# KiCad board SBC.kicad_pcb (continued)
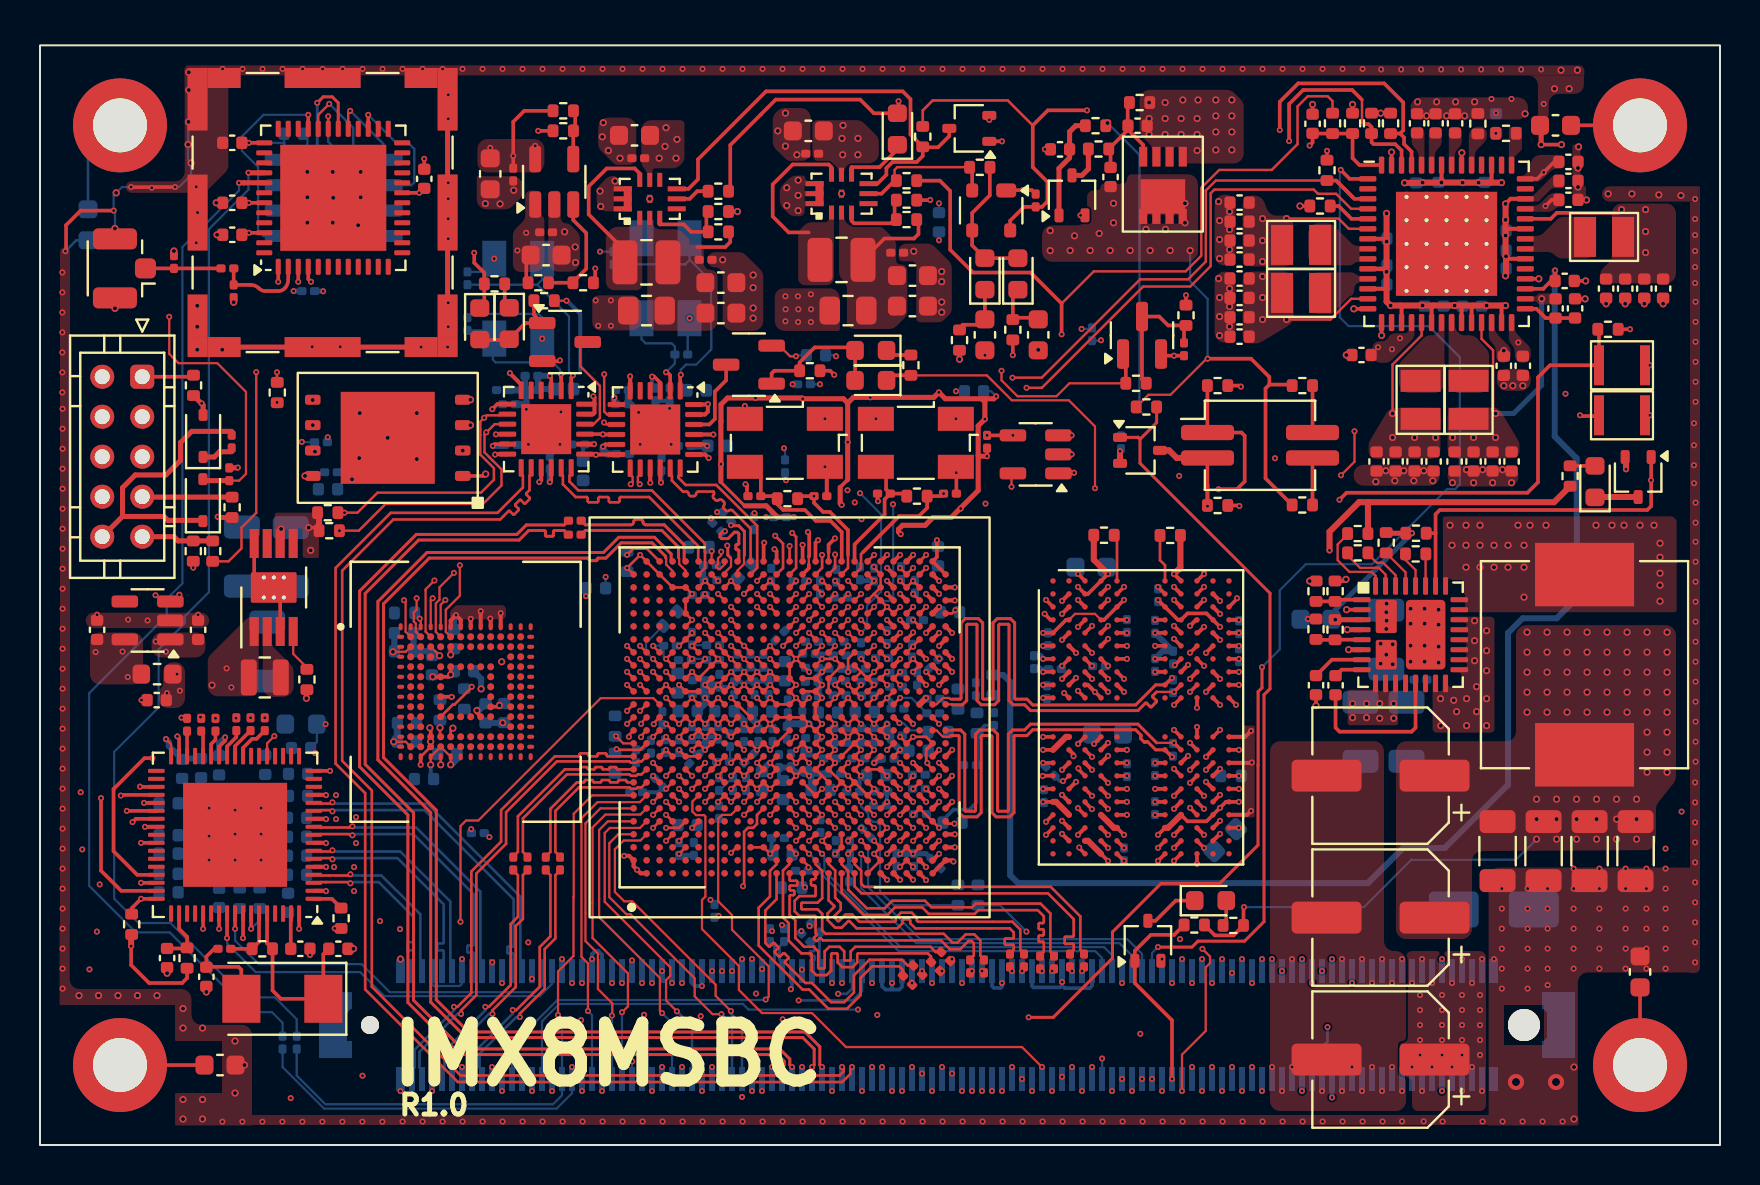
[diagram p0: board, top side]
## Footprints (pads in the part's own frame, mm; a bottom-side part is the same pattern mirrored in y, then rotated) (continued)
C_0201_0603Metric
  rrect 0.318x0.36 smd: (-0.345,0) (0.345,0)
  rrect 0.46x0.4 smd: 1(-0.32,0) 2(0.32,0)
C_0402_1005Metric
  rrect 0.56x0.62 smd: 1(-0.48,0) 2(0.48,0)
C_0603_1608Metric
  rrect 0.9x0.95 smd: 1(-0.775,0) 2(0.775,0)
C_1206_3216Metric
  rrect 1.15x1.8 smd: 1(-1.475,0) 2(1.475,0)
CONN_3-1827253-6
  round 1.6 hole 1.6 unplated: (-28.85,0)
  round 0.9 hole 0.9 unplated: (28.85,0)
  rect 1.4x3.3 smd: 221(-30.7,0) 222(30.7,0)
  rect 0.25x0.85 smd: 221.1(-29.875,1.225) 221.2(-29.875,-1.225) 222.1(29.875,1.225) 222.2(29.875,-1.225)
  rect 0.45x1.2 smd: A1(27.325,2.7) A110(-27.325,2.7) B1(27.325,-2.7) B110(-27.325,-2.7)
  rect 0.3x1.2 smd: A2(26.75,2.7) A3(26.25,2.7) A4(25.75,2.7) A5(25.25,2.7) A6(24.75,2.7) A7(24.25,2.7) A8(23.75,2.7) A9(23.25,2.7) A10(22.75,2.7) A11(22.25,2.7) A12(21.75,2.7) A13(21.25,2.7) A14(20.75,2.7) A15(20.25,2.7) A16(19.75,2.7) A17(19.25,2.7) A18(18.75,2.7) A19(18.25,2.7) A20(17.75,2.7) A21(17.25,2.7) A22(16.75,2.7) A23(16.25,2.7) A24(15.75,2.7) A25(15.25,2.7) A26(14.75,2.7) A27(14.25,2.7) A28(13.75,2.7) A29(13.25,2.7) A30(12.75,2.7) A31(12.25,2.7) A32(11.75,2.7) A33(11.25,2.7) A34(10.75,2.7) A35(10.25,2.7) A36(9.75,2.7) A37(9.25,2.7) A38(8.75,2.7) A39(8.25,2.7) A40(7.75,2.7) A41(7.25,2.7) A42(6.75,2.7) A43(6.25,2.7) A44(5.75,2.7) A45(5.25,2.7) A46(4.75,2.7) A47(4.25,2.7) A48(3.75,2.7) A49(3.25,2.7) A50(2.75,2.7) A51(2.25,2.7) A52(1.75,2.7) A53(1.25,2.7) A54(0.75,2.7) A55(0.25,2.7) A56(-0.25,2.7) A57(-0.75,2.7) A58(-1.25,2.7) A59(-1.75,2.7) A60(-2.25,2.7) A61(-2.75,2.7) A62(-3.25,2.7) A63(-3.75,2.7) A64(-4.25,2.7) A65(-4.75,2.7) A66(-5.25,2.7) A67(-5.75,2.7) A68(-6.25,2.7) A69(-6.75,2.7) A70(-7.25,2.7) A71(-7.75,2.7) A72(-8.25,2.7) A73(-8.75,2.7) A74(-9.25,2.7) A75(-9.75,2.7) A76(-10.25,2.7) A77(-10.75,2.7) A78(-11.25,2.7) A79(-11.75,2.7) A80(-12.25,2.7) A81(-12.75,2.7) A82(-13.25,2.7) A83(-13.75,2.7) A84(-14.25,2.7) A85(-14.75,2.7) A86(-15.25,2.7) A87(-15.75,2.7) A88(-16.25,2.7) A89(-16.75,2.7) A90(-17.25,2.7) A91(-17.75,2.7) A92(-18.25,2.7) A93(-18.75,2.7) A94(-19.25,2.7) A95(-19.75,2.7) A96(-20.25,2.7) A97(-20.75,2.7) A98(-21.25,2.7) A99(-21.75,2.7) A100(-22.25,2.7) A101(-22.75,2.7) A102(-23.25,2.7) A103(-23.75,2.7) A104(-24.25,2.7) A105(-24.75,2.7) A106(-25.25,2.7) A107(-25.75,2.7) A108(-26.25,2.7) A109(-26.75,2.7) B2(26.75,-2.7) B3(26.25,-2.7) B4(25.75,-2.7) B5(25.25,-2.7) B6(24.75,-2.7) B7(24.25,-2.7) B8(23.75,-2.7) B9(23.25,-2.7) B10(22.75,-2.7) B11(22.25,-2.7) B12(21.75,-2.7) B13(21.25,-2.7) B14(20.75,-2.7) B15(20.25,-2.7) B16(19.75,-2.7) B17(19.25,-2.7) B18(18.75,-2.7) B19(18.25,-2.7) B20(17.75,-2.7) B21(17.25,-2.7) B22(16.75,-2.7) B23(16.25,-2.7) B24(15.75,-2.7) B25(15.25,-2.7) B26(14.75,-2.7) B27(14.25,-2.7) B28(13.75,-2.7) B29(13.25,-2.7) B30(12.75,-2.7) B31(12.25,-2.7) B32(11.75,-2.7) B33(11.25,-2.7) B34(10.75,-2.7) B35(10.25,-2.7) B36(9.75,-2.7) B37(9.25,-2.7) B38(8.75,-2.7) B39(8.25,-2.7) B40(7.75,-2.7) B41(7.25,-2.7) B42(6.75,-2.7) B43(6.25,-2.7) B44(5.75,-2.7) B45(5.25,-2.7) B46(4.75,-2.7) B47(4.25,-2.7) B48(3.75,-2.7) B49(3.25,-2.7) B50(2.75,-2.7) B51(2.25,-2.7) B52(1.75,-2.7) B53(1.25,-2.7) B54(0.75,-2.7) B55(0.25,-2.7) B56(-0.25,-2.7) B57(-0.75,-2.7) B58(-1.25,-2.7) B59(-1.75,-2.7) B60(-2.25,-2.7) B61(-2.75,-2.7) B62(-3.25,-2.7) B63(-3.75,-2.7) B64(-4.25,-2.7) B65(-4.75,-2.7) B66(-5.25,-2.7) B67(-5.75,-2.7) B68(-6.25,-2.7) B69(-6.75,-2.7) B70(-7.25,-2.7) B71(-7.75,-2.7) B72(-8.25,-2.7) B73(-8.75,-2.7) B74(-9.25,-2.7) B75(-9.75,-2.7) B76(-10.25,-2.7) B77(-10.75,-2.7) B78(-11.25,-2.7) B79(-11.75,-2.7) B80(-12.25,-2.7) B81(-12.75,-2.7) B82(-13.25,-2.7) B83(-13.75,-2.7) B84(-14.25,-2.7) B85(-14.75,-2.7) B86(-15.25,-2.7) B87(-15.75,-2.7) B88(-16.25,-2.7) B89(-16.75,-2.7) B90(-17.25,-2.7) B91(-17.75,-2.7) B92(-18.25,-2.7) B93(-18.75,-2.7) B94(-19.25,-2.7) B95(-19.75,-2.7) B96(-20.25,-2.7) B97(-20.75,-2.7) B98(-21.25,-2.7) B99(-21.75,-2.7) B100(-22.25,-2.7) B101(-22.75,-2.7) B102(-23.25,-2.7) B103(-23.75,-2.7) B104(-24.25,-2.7) B105(-24.75,-2.7) B106(-25.25,-2.7) B107(-25.75,-2.7) B108(-26.25,-2.7) B109(-26.75,-2.7)
CP_Elec_6.3x7.7
  rrect 3.5x1.6 smd: 1(-2.7,0) 2(2.7,0)
Crystal_SMD_Abracon_ABM3-2Pin_5.0x3.2mm
  rect 1.9x2.4 smd: 1(-2.05,0) 2(2.05,0)
Crystal_SMD_Abracon_ABM3B-4Pin_5.0x3.2mm
  rect 1.8x1.2 smd: 1(-2,-1.2) 2(2,-1.2) 3(2,1.2) 4(-2,1.2)
D_0603_1608Metric
  rrect 0.875x0.95 smd: 1(-0.787,0) 2(0.787,0)
D_SMA
  rrect 2.5x1.8 smd: 1(-2,0) 2(2,0)
D_SOD-323
  rrect 0.6x0.45 smd: 1(-1.05,0) 2(1.05,0)
IHLP-4040
  rect 3.175x4.95 smd: 1(-4.508,0) 2(4.508,0)
JST_PHD_B10B-PHDSS_2x05_P2.00mm_Vertical
  rrect 1.2x1.2 hole 0.75: 1(0,0)
  round 1.2 hole 0.75: 2(0,-2) 3(2,0) 4(2,-2) 5(4,0) 6(4,-2) 7(6,0) 8(6,-2) 9(8,0) 10(8,-2)
L_0201_0603Metric
  rrect 0.318x0.36 smd: (-0.345,0) (0.345,0)
  rrect 0.46x0.4 smd: 1(-0.32,0) 2(0.32,0)
L_0402_1005Metric
  rrect 0.59x0.64 smd: 1(-0.485,0) 2(0.485,0)
L_0603_1608Metric
  rrect 0.875x0.95 smd: 1(-0.787,0) 2(0.787,0)
L_0806
  rrect 0.8x1.8 smd: 1(1.6,0) 2(0,0)
L_1008_2520Metric
  rrect 1.25x2.2 smd: 1(-1.075,0) 2(1.075,0)
Laird_Technologies_BMI-S-101_13.66x12.70mm
  rect 1x1 smd: 1(-6.25,6.73) 1(-6.25,-6.73) 1(6.25,6.73) 1(6.25,-6.73)
  rect 1x2.13 smd: 1(-6.25,5.165) 1(-6.25,-5.165) 1(6.25,5.165) 1(6.25,-5.165)
  rect 1x3.8 smd: 1(-6.25,0) 1(6.25,0)
  rect 1.65x1 smd: 1(-4.925,6.73) 1(-4.925,-6.73) 1(4.925,6.73) 1(4.925,-6.73)
  rect 3.8x1 smd: 1(0,6.73) 1(0,-6.73)
LED_0603_1608Metric
  rrect 0.875x0.95 smd: 1(-0.787,0) 2(0.787,0)
MountingHole_2.7mm_M2.5_DIN965_Pad_TopBottom
  round 3.1 hole 2.7: 1(0,0)
  round 4.7 smd: 1(0,0)
  round 4.7 smd far side: 1(0,0)
MP2147GD-Z
  rect 0.7x0.25 smd: 1(0,0) 2(0,-0.5) 3(0,-1) 7(1.9,-1) 8(1.9,-0.5) 9(1.9,0)
  rect 0.25x0.9 smd: 4(0.45,-1.85) 5(0.95,-1.85) 6(1.45,-1.85) 10(0.45,0.85) 10(0.95,0.85) 10(1.45,0.85)
  rect 1.25x0.4 smd: 10(0.95,0.6)
  rect 0.4x0.25 smd: 11(0.95,-0.5)
NANOT160AS
  rrect 0.5x2 smd: 1(2.3,0) 2(0,0)
POWERPAK_1212_8_S
  rect 0.99x0.405 smd: 1(0,0) 2(0,-0.66) 3(0,-1.32) 4(0,-1.98)
  rect 1.725x2.235 smd: 5(1.992,-1)
  rect 0.76x0.406 smd: 5(2.985,0) 5(2.985,-0.661) 5(2.985,-1.323) 5(2.985,-1.984)
PowerPAK_MLP55-32L
  rrect 0.875x0.25 smd: 1(-2.438,1.75) 2(-2.438,1.25) 3(-2.438,0.75) 4(-2.438,0.25) 5(-2.438,-0.25) 6(-2.438,-0.75) 7(-2.438,-1.25) 8(-2.438,-1.75) 17(2.438,-1.75) 18(2.438,-1.25) 19(2.438,-0.75) 20(2.438,-0.25) 21(2.438,0.25) 22(2.438,0.75) 23(2.438,1.25) 24(2.438,1.75)
  rrect 0.25x0.875 smd: 9(-1.75,-2.438) 10(-1.25,-2.438) 11(-0.75,-2.438) 12(-0.25,-2.438) 13(0.25,-2.438) 14(0.75,-2.438) 15(1.25,-2.438) 16(1.75,-2.438) 25(1.75,2.438) 26(1.25,2.438) 27(0.75,2.438) 28(0.25,2.438) 29(-0.25,2.438) 30(-0.75,2.438) 31(-1.25,2.438) 32(-1.75,2.438)
  rrect 1.05x1.66 smd: P1(-1.215,0.91)
  rrect 1.05x1.48 smd: P2(-1.215,-1)
  rrect 1.97x3.48 smd: P3(0.755,0)
QFN-48-1EP_7x7mm_P0.5mm_EP5.3x5.3mm
  rrect 1.07x1.07 smd: (-1.98,1.98) (-1.98,0.66) (-1.98,-0.66) (-1.98,-1.98) (-0.66,1.98) (-0.66,0.66) (-0.66,-0.66) (-0.66,-1.98) (0.66,1.98) (0.66,0.66) (0.66,-0.66) (0.66,-1.98) (1.98,1.98) (1.98,0.66) (1.98,-0.66) (1.98,-1.98)
  rrect 0.8x0.25 smd: 1(-3.45,2.75) 2(-3.45,2.25) 3(-3.45,1.75) 4(-3.45,1.25) 5(-3.45,0.75) 6(-3.45,0.25) 7(-3.45,-0.25) 8(-3.45,-0.75) 9(-3.45,-1.25) 10(-3.45,-1.75) 11(-3.45,-2.25) 12(-3.45,-2.75) 25(3.45,-2.75) 26(3.45,-2.25) 27(3.45,-1.75) 28(3.45,-1.25) 29(3.45,-0.75) 30(3.45,-0.25) 31(3.45,0.25) 32(3.45,0.75) 33(3.45,1.25) 34(3.45,1.75) 35(3.45,2.25) 36(3.45,2.75)
  rrect 0.25x0.8 smd: 13(-2.75,-3.45) 14(-2.25,-3.45) 15(-1.75,-3.45) 16(-1.25,-3.45) 17(-0.75,-3.45) 18(-0.25,-3.45) 19(0.25,-3.45) 20(0.75,-3.45) 21(1.25,-3.45) 22(1.75,-3.45) 23(2.25,-3.45) 24(2.75,-3.45) 37(2.75,3.45) 38(2.25,3.45) 39(1.75,3.45) 40(1.25,3.45) 41(0.75,3.45) 42(0.25,3.45) 43(-0.25,3.45) 44(-0.75,3.45) 45(-1.25,3.45) 46(-1.75,3.45) 47(-2.25,3.45) 48(-2.75,3.45)
  rect 5.3x5.3 smd: 49(0,0)
QFN-56-1EP_8x8mm_P0.5mm_EP4.5x5.2mm_ThermalVias
  custom 0.776x0.776 smd: (-1.5,1.762) (-1.5,0.588) (-1.5,-0.588) (-1.5,-1.762) (-0.5,1.762) (-0.5,0.588) (-0.5,-0.588) (-0.5,-1.762) (0.5,1.762) (0.5,0.588) (0.5,-0.588) (0.5,-1.762) (1.5,1.762) (1.5,0.588) (1.5,-0.588) (1.5,-1.762)
  rrect 0.85x0.27 smd: 1(-3.938,3.25) 2(-3.938,2.75) 3(-3.938,2.25) 4(-3.938,1.75) 5(-3.938,1.25) 6(-3.938,0.75) 7(-3.938,0.25) 8(-3.938,-0.25) 9(-3.938,-0.75) 10(-3.938,-1.25) 11(-3.938,-1.75) 12(-3.938,-2.25) 13(-3.938,-2.75) 14(-3.938,-3.25) 29(3.938,-3.25) 30(3.938,-2.75) 31(3.938,-2.25) 32(3.938,-1.75) 33(3.938,-1.25) 34(3.938,-0.75) 35(3.938,-0.25) 36(3.938,0.25) 37(3.938,0.75) 38(3.938,1.25) 39(3.938,1.75) 40(3.938,2.25) 41(3.938,2.75) 42(3.938,3.25)
  rrect 0.27x0.85 smd: 15(-3.25,-3.938) 16(-2.75,-3.938) 17(-2.25,-3.938) 18(-1.75,-3.938) 19(-1.25,-3.938) 20(-0.75,-3.938) 21(-0.25,-3.938) 22(0.25,-3.938) 23(0.75,-3.938) 24(1.25,-3.938) 25(1.75,-3.938) 26(2.25,-3.938) 27(2.75,-3.938) 28(3.25,-3.938) 43(3.25,3.938) 44(2.75,3.938) 45(2.25,3.938) 46(1.75,3.938) 47(1.25,3.938) 48(0.75,3.938) 49(0.25,3.938) 50(-0.25,3.938) 51(-0.75,3.938) 52(-1.25,3.938) 53(-1.75,3.938) 54(-2.25,3.938) 55(-2.75,3.938) 56(-3.25,3.938)
  round 0.5 hole 0.2: 57(-2,2.35) 57(-2,1.175) 57(-2,0) 57(-2,-1.175) 57(-2,-2.35) 57(-1,2.35) 57(-1,1.175) 57(-1,0) 57(-1,-1.175) 57(-1,-2.35) 57(0,2.35) 57(0,1.175) 57(0,0) 57(0,-1.175) 57(0,-2.35) 57(1,2.35) 57(1,1.175) 57(1,0) 57(1,-1.175) 57(1,-2.35) 57(2,2.35) 57(2,1.175) 57(2,0) 57(2,-1.175) 57(2,-2.35)
  rect 4.5x5.2 smd far side: 57(0,0)
  rect 5.06x5.2 smd: 57(0,0)
QFN-68-1EP_8x8mm_P0.4mm_EP5.2x5.2mm
  rrect 1.05x1.05 smd: (-1.95,1.95) (-1.95,0.65) (-1.95,-0.65) (-1.95,-1.95) (-0.65,1.95) (-0.65,0.65) (-0.65,-0.65) (-0.65,-1.95) (0.65,1.95) (0.65,0.65) (0.65,-0.65) (0.65,-1.95) (1.95,1.95) (1.95,0.65) (1.95,-0.65) (1.95,-1.95)
  rrect 0.825x0.2 smd: 1(-3.938,3.2) 2(-3.938,2.8) 3(-3.938,2.4) 4(-3.938,2) 5(-3.938,1.6) 6(-3.938,1.2) 7(-3.938,0.8) 8(-3.938,0.4) 9(-3.938,0) 10(-3.938,-0.4) 11(-3.938,-0.8) 12(-3.938,-1.2) 13(-3.938,-1.6) 14(-3.938,-2) 15(-3.938,-2.4) 16(-3.938,-2.8) 17(-3.938,-3.2) 35(3.938,-3.2) 36(3.938,-2.8) 37(3.938,-2.4) 38(3.938,-2) 39(3.938,-1.6) 40(3.938,-1.2) 41(3.938,-0.8) 42(3.938,-0.4) 43(3.938,0) 44(3.938,0.4) 45(3.938,0.8) 46(3.938,1.2) 47(3.938,1.6) 48(3.938,2) 49(3.938,2.4) 50(3.938,2.8) 51(3.938,3.2)
  rrect 0.2x0.825 smd: 18(-3.2,-3.938) 19(-2.8,-3.938) 20(-2.4,-3.938) 21(-2,-3.938) 22(-1.6,-3.938) 23(-1.2,-3.938) 24(-0.8,-3.938) 25(-0.4,-3.938) 26(0,-3.938) 27(0.4,-3.938) 28(0.8,-3.938) 29(1.2,-3.938) 30(1.6,-3.938) 31(2,-3.938) 32(2.4,-3.938) 33(2.8,-3.938) 34(3.2,-3.938) 52(3.2,3.938) 53(2.8,3.938) 54(2.4,3.938) 55(2,3.938) 56(1.6,3.938) 57(1.2,3.938) 58(0.8,3.938) 59(0.4,3.938) 60(0,3.938) 61(-0.4,3.938) 62(-0.8,3.938) 63(-1.2,3.938) 64(-1.6,3.938) 65(-2,3.938) 66(-2.4,3.938) 67(-2.8,3.938) 68(-3.2,3.938)
  rect 5.2x5.2 smd: 69(0,0)
R_0201_0603Metric
  rrect 0.318x0.36 smd: (-0.345,0) (0.345,0)
  rrect 0.46x0.4 smd: 1(-0.32,0) 2(0.32,0)
R_0402_1005Metric
  rrect 0.54x0.64 smd: 1(-0.51,0) 2(0.51,0)
R_0805_2012Metric
  rrect 1.025x1.4 smd: 1(-0.912,0) 2(0.912,0)
SOIC-8_3.9x4.9mm_P1.27mm
  rrect 1.95x0.6 smd: 1(-2.475,1.905) 2(-2.475,0.635) 3(-2.475,-0.635) 4(-2.475,-1.905) 5(2.475,-1.905) 6(2.475,-0.635) 7(2.475,0.635) 8(2.475,1.905)
SOT-23
  rrect 1.475x0.6 smd: 1(-0.938,0.95) 2(-0.938,-0.95) 3(0.938,0)
SOT-23-3
  rrect 1.325x0.6 smd: 1(-1.137,0.95) 2(-1.137,-0.95) 3(1.137,0)
SOT-23-5
  rrect 1.325x0.6 smd: 1(-1.137,0.95) 2(-1.137,0) 3(-1.137,-0.95) 4(1.137,-0.95) 5(1.137,0.95)
SOT-143
  rrect 0.7x1 smd: 1(-1,0.75)
  rrect 0.7x0.6 smd: 2(-1,-0.95) 3(1,-0.95) 4(1,0.95)
SOT-323_SC-70
  rrect 0.7x0.45 smd: 1(-1,0.65) 2(-1,-0.65) 3(1,0)
SW_DIP_SPSTx02_Slide_KingTek_DSHP02TJ_W5.25mm_P1.27mm_JPin
  rrect 2.65x0.76 smd: 1(-2.625,0.635) 2(-2.625,-0.635) 3(2.625,-0.635) 4(2.625,0.635)
U.FL_Hirose_U.FL-R-SMT-1_Vertical
  rrect 1.05x1 smd: 1(-1.05,0)
  rrect 2.2x1.05 smd: 2(0.475,1.475) 2(0.475,-1.475)
VQFN-24-1EP_4x4mm_P0.5mm_EP2.5x2.5mm
  rrect 1.01x1.01 smd: (-0.625,0.625) (-0.625,-0.625) (0.625,0.625) (0.625,-0.625)
  rrect 0.875x0.25 smd: 1(-1.938,1.25) 2(-1.938,0.75) 3(-1.938,0.25) 4(-1.938,-0.25) 5(-1.938,-0.75) 6(-1.938,-1.25) 13(1.938,-1.25) 14(1.938,-0.75) 15(1.938,-0.25) 16(1.938,0.25) 17(1.938,0.75) 18(1.938,1.25)
  rrect 0.25x0.875 smd: 7(-1.25,-1.938) 8(-0.75,-1.938) 9(-0.25,-1.938) 10(0.25,-1.938) 11(0.75,-1.938) 12(1.25,-1.938) 19(1.25,1.938) 20(0.75,1.938) 21(0.25,1.938) 22(-0.25,1.938) 23(-0.75,1.938) 24(-1.25,1.938)
  rect 2.5x2.5 smd: 25(0,0)
VSSOP-8_3.0x3.0mm_P0.65mm
  rect 1.45x0.45 smd: 1(-2.2,0.975) 2(-2.2,0.325) 3(-2.2,-0.325) 4(-2.2,-0.975) 5(2.2,-0.975) 6(2.2,-0.325) 7(2.2,0.325) 8(2.2,0.975)
  round 0.3 hole 0.2: 8(-0.5,0.5) 8(-0.5,0) 8(-0.5,-0.5) 8(0.5,0.5) 8(0.5,0) 8(0.5,-0.5)
  rrect 1.524x2.286 smd: 8(0,0)
WSON-8-1EP_8x6mm_P1.27mm_E4.7X4.6mm
  rrect 1.37x1.61 smd: (-0.85,1) (-0.85,-1) (0.85,1) (0.85,-1)
  rrect 0.775x0.5 smd: 1(-3.75,1.905) 2(-3.75,0.635) 3(-3.75,-0.635) 4(-3.75,-1.905) 5(3.75,-1.905) 6(3.75,-0.635) 7(3.75,0.635) 8(3.75,1.905)
  rect 4.7x4.6 smd: 9(0,0)

## Nets
3.3V_SW: C2.2 C3.2 C4.2 C5.2 C6.2 C7.2 C8.2 C9.2 C10.2 C11.2 C12.2 C13.2 C14.2 C15.2 C20.1 C27.1 C36.1 C41.1 C43.1 C47.1 C57.1 C80.1 C150.1 L6.2 Q2.1 Q2.2 Q2.3 R4.2 R11.2 R16.1 R25.1 R58.1 R59.1 R60.1 R77.1 R78.1 U1.7 U1.10 U1.12 U1.17 U1.20 U1.23 U1.24 U1.27 U1.34 U1.37 U1.40 U1.45 U1.50 U2.2 U8.4 U9.W18 U10.4
3.3V_SW_DELAYED: C64.1 C65.1 C67.1 C71.1 C73.1 C74.1 C77.2 C79.2 C85.2 C87.2 C128.1 C129.1 C137.1 C138.1 C139.1 C140.1 C141.1 C142.1 C143.1 C144.1 C145.1 C146.1 C147.1 C148.1 C275.1 C276.1 C281.1 C283.1 C285.1 C287.1 C311.1 C312.1 C315.1 C316.1 C317.1 D10.2 Q2.5 R14.1 R15.1 R19.2 R79.1 R81.1 R84.1 R86.1 R87.1 R91.1 R107.1 R108.1 U1.55 U3.1 U3.3 U4.1 U5.8 U5.11 U6.5 U6.6 U7.8 U7.11 U9.D8 U9.E3 U9.F5 U9.H7 U9.J7 U9.K3 U9.L3 U9.L18 U9.M3 U9.M18 U9.R5 U9.R6 U9.W4 U13.E6 U13.F5 U13.J10 U13.K9 U14.8 U18.8 U19.1 U19.3 U19.4 U19.19 U19.37 U19.43 U19.46
/IO/VDD1A: C322.1 C326.1 C332.1 C336.1 FB8.2 U17.5 U17.14 U17.68
/IO/VDDMDIO: C330.1 C339.1 U17.49
/MPU/VDDA_0P9: C161.1 FB2.1 U9.V18
GND: C1.2 C2.1 C3.1 C4.1 C5.1 C6.1 C7.1 C8.1 C9.1 C10.1 C11.1 C12.1 C13.1 C14.1 C15.1 C16.1 C19.2 C20.2 C21.2 C22.2 C23.2 C24.1 C25.1 C26.1 C27.2 C28.2 C29.2 C30.2 C31.2 C32.2 C33.2 C34.2 C35.2 C36.2 C37.2 C38.2 C39.2 C40.2 C41.2 C42.2 C43.2 C44.2 C45.2 C46.2 C47.2 C48.2 C49.2 C50.2 C51.2 C52.2 C53.2 C54.2 C55.2 C56.2 C58.2 C59.2 C60.2 C61.2 C62.2 C63.2 C65.2 C66.2 C67.2 C68.1 C69.2 C70.2 C71.2 C72.1 C73.2 C74.2 C75.2 C76.2 C77.1 C78.2 C79.1 C80.2 C81.1 C83.2 C84.2 C85.1 C86.2 C87.1 C88.2 C113.1 C114.1 C115.2 C116.2 C117.2 C118.1 C119.2 C120.2 C121.1 C122.1 C123.1 C124.2 C125.2 C126.2 C127.1 C128.2 C129.2 C130.2 C131.1 C132.2 C133.2 C134.2 C135.1 C136.2 C137.2 C138.2 C139.2 C140.2 C141.2 C142.2 C143.2 C144.2 C145.2 C146.2 C147.2 C148.2 C149.2 C150.2 C151.2 C152.2 C153.1 C154.2 C155.2 C156.2 C157.1 C158.2 C159.1 C160.2 C161.2 C162.2 C163.2 C164.2 C165.1 C166.2 C167.2 C168.1 C169.2 C170.1 C171.2 C172.2 C173.2 C174.2 C175.2 C176.1 C177.2 C178.1 C179.2 C180.1 C181.1 C182.2 C183.2 C184.2 C185.2 C186.1 C187.2 C188.2 C189.1 C190.2 C191.2 C192.1 C193.2 C194.2 C195.1 C196.2 C197.2 C198.1 C199.2 C200.1 C201.2 C202.1 C203.2 C204.1 C205.2 C206.2 C207.1 C208.2 C209.1 C210.2 C211.1 C212.2 C213.2 C214.1 C215.2 C216.2 C217.1 C218.2 C219.1 C220.2 C221.1 C222.2 C223.2 C224.2 C225.1 C226.2 C227.2 C228.2 C229.1 C230.2 C231.1 C232.2 C233.2 C234.1 C235.2 C236.1 C237.2 C238.2 C239.1 C240.2 C241.1 C242.2 C243.1 C244.2 C245.1 C246.2 C247.2 C248.1 C249.2 C250.1 C251.2 C252.1 C253.2 C255.2 C256.2 C257.1 C258.2 C259.1 C260.2 C261.1 C262.2 C263.1 C264.2 C265.1 C266.2 C267.1 C268.2 C269.2 C270.1 C271.2 C272.1 C273.2 C274.1 C275.2 C276.2 C277.2 C278.2 C279.2 C280.2 C281.2 C282.2 C283.2 C284.2 C285.2 C286.2 C287.2 C288.2 C289.2 C290.2 C291.2 C292.2 C293.2 C294.2 C295.2 C296.2 C297.2 C298.2 C299.2 C300.2 C301.2 C302.2 C303.2 C304.2 C305.2 C306.2 C307.2 C308.2 C309.2 C310.1 C311.2 C312.2 C313.2 C314.2 C315.2 C316.2 C317.2 C318.2 C319.2 C320.2 C321.2 C322.2 C323.2 C324.2 C325.2 C326.2 C327.2 C328.2 C329.2 C330.2 C331.2 C332.2 C333.2 C334.2 C335.2 C336.2 C337.2 C338.2 C339.2 D1.2 J1.A1 J1.A4 J1.A7 J1.A10 J1.A11 J1.A14 J1.A17 J1.A20 J1.A21 J1.A24 J1.A27 J1.A30 J1.A31 J1.A34 J1.A37 J1.A40 J1.A41 J1.A44 J1.A49 J1.A50 J1.A51 J1.A54 J1.A57 J1.A60 J1.A61 J1.A64 J1.A67 J1.A70 J1.A73 J1.A77 J1.A79 J1.A80 J1.A81 J1.A82 J1.A83 J1.A84 J1.A87 J1.A90 J1.A95 J1.A97 J1.A98 J1.A99 J1.A100 J1.A101 J1.A105 J1.A110 J1.B1 J1.B4 J1.B7 J1.B10 J1.B11 J1.B16 J1.B19 J1.B21 J1.B25 J1.B26 J1.B31 J1.B36 J1.B37 J1.B38 J1.B41 J1.B44 J1.B47 J1.B50 J1.B51 J1.B54 J1.B57 J1.B60 J1.B61 J1.B64 J1.B67 J1.B70 J1.B73 J1.B76 J1.B80 J1.B82 J1.B83 J1.B84 J1.B85 J1.B86 J1.B87 J1.B88 J1.B89 J1.B90 J1.B93 J1.B95 J1.B96 J1.B97 J1.B98 J1.B99 J1.B100 J1.B101 J1.B105 J1.B110 J2.3 J2.5 J3.2 J4.1 Q1.2 Q3.2 Q5.2 Q6.2 Q7.2 Q8.2 Q9.2 R2.2 R3.2 R10.2 R12.1 R21.2 R24.1 R27.2 R31.2 R33.2 R34.1 R35.2 R36.2 R37.1 R38.2 R39.1 R40.2 R41.2 R62.2 R63.2 R71.1 R80.2 R82.2 R88.1 R92.1 R93.1 R96.2 R97.2 R98.2 SW1.1 SW2.1 U1.14 U1.15 U1.32 U1.48 U1.57 U2.4 U2.15 U2.16 U2.17 U2.18 U2.19 U2.20 U2.21 U2.22 U2.P1 U3.2 U4.2 U5.10 U6.3 U6.8 U7.10 U8.1 U9.A2 U9.A24 U9.AA5 U9.AA16 U9.AA21 U9.AB2 U9.AB9 U9.AB11 U9.AB18 U9.AB24 U9.AC4 U9.AC19 U9.AC22 U9.AD1 U9.AD7 U9.AD9 U9.AD11 U9.AD13 U9.AD16 U9.AD25 U9.AE2 U9.AE5 U9.AE21 U9.AE24 U9.B1 U9.B25 U9.C8 U9.C10 U9.C13 U9.C15 U9.C24 U9.D10 U9.D13 U9.D15 U9.D23 U9.E4 U9.E10 U9.E13 U9.E14 U9.E16 U9.E19 U9.E20 U9.E21 U9.E22 U9.E23 U9.F10 U9.F13 U9.F14 U9.F16 U9.G9 U9.G10 U9.G13 U9.G17 U9.G18 U9.G24 U9.H8 U9.H9 U9.H10 U9.H12 U9.H13 U9.H17 U9.H18 U9.J3 U9.J8 U9.J11 U9.J12 U9.J13 U9.J14 U9.J17 U9.J18 U9.J19 U9.K8 U9.K11 U9.K13 U9.K17 U9.K18 U9.K23 U9.L8 U9.L11 U9.L14 U9.L17 U9.M8 U9.M11 U9.M14 U9.M17 U9.N3 U9.N12 U9.N14 U9.N15 U9.N16 U9.N17 U9.N18 U9.P6 U9.P8 U9.P11 U9.P14 U9.P17 U9.P18 U9.P23 U9.R7 U9.T3 U9.T4 U9.T9 U9.T10 U9.T11 U9.T12 U9.T13 U9.T14 U9.U8 U9.U9 U9.U15 U9.U16 U9.U18 U9.V4 U9.V8 U9.V16 U9.V17 U9.V23 U9.W1 U9.W7 U9.W8 U9.W9 U9.W10 U9.W11 U9.W12 U9.W13 U9.W14 U9.W15 U9.W16 U9.W22 U9.W25 U9.Y2 U9.Y3 U9.Y4 U9.Y5 U9.Y7 U9.Y9 U9.Y11 U9.Y13 U9.Y15 U9.Y17 U9.Y19 U9.Y21 U9.Y22 U9.Y23 U9.Y24 U10.1 U10.2 U10.3 U11.2 U12.A3 U12.A10 U12.AB3 U12.AB5 U12.AB8 U12.AB10 U12.C1 U12.C5 U12.C8 U12.C12 U12.D2 U12.D4 U12.D9 U12.D11 U12.E1 U12.E5 U12.E8 U12.E12 U12.G1 U12.G3 U12.G5 U12.G8 U12.G10 U12.G12 U12.J1 U12.J3 U12.J10 U12.J12 U12.K2 U12.K4 U12.K9 U12.K11 U12.N2 U12.N4 U12.N9 U12.N11 U12.P1 U12.P3 U12.P10 U12.P12 U12.T1 U12.T3 U12.T5 U12.T8 U12.T10 U12.T12 U12.V1 U12.V5 U12.V8 U12.V12 U12.W2 U12.W4 U12.W9 U12.W11 U12.Y1 U12.Y5 U12.Y8 U12.Y12 U13.A6 U13.A7 U13.A8 U13.A9 U13.A10 U13.A11 U13.C4 U13.N2 U13.N5 U13.P4 U13.P6 U14.4 U14.9 U15.6 U15.10 U15.12 U15.15 U15.19 U15.21 U15.23 U15.24 U15.25 U16.6 U16.10 U16.12 U16.15 U16.19 U16.21 U16.23 U16.24 U16.25 U17.56 U17.69 U18.4 U19.49 Y1.2 Y1.4 Y2.2 Y2.4 Y3.2 Y3.4 Y4.2 Y4.4
VBAT: C16.2 J1.B91 U1.42
VDD_1V: C70.1 C319.1 C324.1 C329.1 FB8.1 U3.5 U17.17 U17.34
VDD_1V8: C21.1 C30.1 C33.1 C38.1 C268.1 C269.1 C270.2 C271.1 C272.2 C273.1 C274.2 C278.1 C280.1 C282.1 C284.1 C286.1 C296.1 C298.1 C305.1 C307.1 FB3.1 FB4.1 FB5.1 FB6.1 L5.2 R17.1 R73.2 R74.2 R75.2 R85.1 R95.1 U1.19 U12.F1 U12.F12 U12.G4 U12.G9 U12.T4 U12.T9 U12.U1 U12.U12 U13.C6 U13.M4 U13.N4 U13.P3 U13.P5 U15.7 U16.7
VDD_ARM_0V9: C194.1 C195.2 C203.1 C204.2 C213.1 C214.2 C224.1 C225.2 C235.1 C236.2 C244.1 C245.2 SH1.2 U9.G14 U9.G15 U9.G16 U9.H14 U9.H15 U9.H16 U9.J15 U9.J16 U9.K15 U9.K16 U9.L15 U9.L16 U9.M15 U9.M16
VDD_DRAM_0V9: C22.1 C31.1 C34.1 C39.1 C156.1 C157.2 C167.1 C168.2 C175.1 C176.2 C185.1 C186.2 C197.1 C198.2 C206.1 C207.2 C216.1 C217.2 C228.1 C229.2 C238.1 C239.2 C247.1 C248.2 L4.2 U1.38 U9.U10 U9.U11 U9.U12 U9.U13 U9.U14 U9.V9 U9.V10 U9.V11 U9.V12 U9.V13 U9.V14 U9.V15 U9.Y6 U9.Y8 U9.Y10 U9.Y16 U9.Y18 U9.Y20
VDD_GPU_0V9: C46.1 C51.1 C53.1 C56.1 C155.1 C166.1 C174.1 C184.1 C196.1 C205.1 C215.1 C227.1 C237.1 C246.1 L1.2 U1.6 U9.J9 U9.J10 U9.K9 U9.K10 U9.L9 U9.L10 U9.M9 U9.M10
VDD_PHY_0V9: C61.1 C113.2 C114.2 C115.1 C116.1 C117.1 C118.2 C119.1 C120.1 C121.2 C122.2 C123.2 C124.1 C125.1 C126.1 C127.2 FB1.2 U1.18 U9.C11 U9.C12 U9.D11 U9.D12 U9.E11 U9.E12 U9.E17 U9.E18 U9.F17 U9.F18 U9.F19 U9.F22 U9.F23 U9.G22 U9.G23 U9.U3 U9.U4 U9.V3
VDD_PHY_1V8: C60.1 C190.1 C232.1 J1.A78 U1.26 U9.C18 U9.D17 U9.D18 U9.P2
VDD_PHY_3V3: C63.1 C151.1 C162.1 C171.1 C193.1 C226.1 U1.39 U9.F11 U9.F12 U9.G11 U9.G12 U9.H23 U9.J23
VDD_SNVS_0V9: C59.1 C66.1 C69.1 C222.1 R23.1 R42.1 U4.5 U9.R18
VDD_SOC_0V9: C179.1 C180.2 C191.1 C192.2 C201.1 C202.2 C210.1 C211.2 C220.1 C221.2 C233.1 C234.2 C242.1 C243.2 C251.1 C252.2 FB2.2 SH2.2 U9.K12 U9.L12 U9.L13 U9.M12 U9.M13 U9.N13 U9.P12 U9.P13 U9.P15 U9.P16 U9.R8 U9.R9 U9.R10 U9.R11 U9.R12 U9.R13 U9.R14 U9.R15 U9.R16 U9.T8 U9.T17
VDD_VPU_0V9: C45.1 C50.1 C52.1 C55.1 C130.1 C134.1 C152.1 C164.1 C172.1 C181.2 C183.1 L2.2 U1.13 U9.N8 U9.N9 U9.N10 U9.P9 U9.P10
VDDA_1V8: C54.1 C131.2 C132.1 C135.2 C136.1 C153.2 C154.1 C165.2 U1.28 U9.AA11 U9.K14 U9.N11 U9.R17 U9.T15 U9.T16 U9.U17 U9.U23 U9.W17 U9.W23 U9.W24
VIN: C28.1 C37.1 C42.1 C44.1 C48.1 D1.1 J1.A102 J1.A103 J1.A104 J1.A106 J1.A107 J1.A108 J1.A109 J1.B102 J1.B103 J1.B104 J1.B106 J1.B107 J1.B108 J1.B109 R5.1 R76.1 U2.6 U2.9 U2.10 U2.11 U2.P2
/IO/25MHZ_P1I: C292.1 U15.1 Y3.3
/IO/25MHZ_P1O: C293.1 U15.2 Y3.1
/IO/25MHZ_P2I: C301.1 U16.1 Y4.3
/IO/25MHZ_P2O: C302.1 U16.2 Y4.1
/IO/ENET_2.5V_A: C321.1 C325.1 C331.1 C335.1 FB7.2 U17.2 U17.8 U17.11
/IO/LED0: J1.A15 U17.60
/IO/LED1: J1.A16 U17.59
/IO/LNA_IN: C313.1 L10.1 U19.2
/IO/PCIE1_REQ: Q8.3 U15.22
/IO/PCIE2_REQ: Q9.3 U16.22
/IO/RAM_CS: U18.1 U19.29
/IO/SCLK: U18.6 U19.31
/IO/SIO0: U18.5 U19.33
/IO/SIO1: U18.2 U19.27
/IO/SIO2: U18.3 U19.32
/IO/SIO3: U18.7 U19.30
/IO/XTAL1: R109.1 R110.1 U17.63
/IO/XTAL2: C320.1 R109.2 U17.64 Y5.1
/MPU/25MHZ_I: C133.1 R54.2 U9.U25 Y1.3
/MPU/25MHZ_O: C160.1 R54.1 U9.U24 Y1.1
/MPU/27MHZ_I: C149.1 R55.2 U9.V25 Y2.3
/MPU/27MHZ_O: C163.1 R55.1 U9.V24 Y2.1
/MPU/HD0_N: C112.1 U9.R1
/MPU/HD0_P: C106.1 U9.R2
/MPU/HD1_N: C111.1 U9.T2
/MPU/HD1_P: C105.1 U9.T1
/MPU/HD2_N: C110.1 U9.U1
/MPU/HD2_P: C104.1 U9.U2
/MPU/HD3_N: C107.1 U9.V2
/MPU/HD3_P: C101.1 U9.V1
/MPU/HD4_N: C109.1 U9.N1
/MPU/HD4_P: C103.1 U9.N2
/MPU/HD5_N: C108.1 U9.M2
/MPU/HD5_P: C102.1 U9.M1
/MPU/pi2_N: C96.1 U9.E25
/MPU/pi2_P: C95.1 U9.E24
/MPU/pi_N: C90.1 U9.J25
/MPU/pi_P: C89.1 U9.J24
/MPU/RTC_CLK: U9.V22 U10.5
/MPU/RTC_nRST: R61.1 U9.W19 U11.1
/MPU/U1_RX_N: C94.1 U9.B12
/MPU/U1_RX_P: C93.1 U9.A12
/MPU/U1_TX_N: C92.1 U9.B13
/MPU/U1_TX_P: C91.1 U9.A13
/MPU/U2_RX_N: C100.1 U9.B8
/MPU/U2_RX_P: C99.1 U9.A8
/MPU/U2_TX_N: C98.1 U9.B9
/MPU/U2_TX_P: C97.1 U9.A9
/POWER/MNRST: D3.2 D4.2 R29.1 U8.3
/POWER/P_MODE: Q3.3 R25.2 U5.6 U7.6
/POWER/PMIC_ON: C49.1 D2.2 R11.1 R13.2 R22.1 U1.56
/POWER/SIC4020A_VDD: C29.1 R1.2 R7.1 R9.1 U2.3
/POWER/SOC_EN: R28.2 R29.2 U7.5 U8.2
BOOT_MODE0: Q7.3 R82.1 SW3.2 U9.W6
BOOT_MODE1: R80.1 SW3.1 U9.V6
BOOT_SEL: J1.A76 Q7.1 R84.2
CLK1_N: R57.1 U9.T23
CLK1_P: R57.2 U9.R23
CLK2_N: R56.1 U9.U22
CLK2_P: R56.2 U9.T22
DRAM_CA0_A: U9.AD17 U12.H2
DRAM_CA0_B: U9.AE8 U12.R2
DRAM_CA1_A: U9.AE16 U12.J2
DRAM_CA1_B: U9.AE9 U12.P2
DRAM_CA2_A: U9.AD20 U12.H9
DRAM_CA2_B: U9.AC7 U12.R9
DRAM_CA3_A: U9.AE20 U12.H10
DRAM_CA3_B: U9.AE7 U12.R10
DRAM_CA4_A: U9.AD19 U12.H11
DRAM_CA4_B: U9.AE6 U12.R11
DRAM_CA5_A: U9.AE19 U12.J11
DRAM_CA5_B: U9.AD6 U12.P11
DRAM_CKA_N: R64.2 U9.AE14 U12.J9
DRAM_CKA_P: R64.1 U9.AD14 U12.J8
DRAM_CKB_N: R65.2 U9.AE12 U12.P9
DRAM_CKB_P: R65.1 U9.AD12 U12.P8
DRAM_CKE0_A: U9.AC16 U12.J4
DRAM_CKE0_B: U9.AD10 U12.P4
DRAM_CKE1_A: U9.AE17 U12.J5
DRAM_CKE1_B: U9.AE10 U12.P5
DRAM_DM0: U9.AD23 U12.C3
DRAM_DM1: U9.AB20 U12.C10
DRAM_DM2: U9.AD3 U12.Y3
DRAM_DM3: U9.AB6 U12.Y10
DRAM_DQ0: U9.AE23 U12.B2
DRAM_DQ1: U9.AD24 U12.E2
DRAM_DQ2: U9.AE22 U12.C2
DRAM_DQ3: U9.AD22 U12.F2
DRAM_DQ4: U9.AA24 U12.F4
DRAM_DQ5: U9.Y25 U12.E4
DRAM_DQ6: U9.AA25 U12.C4
DRAM_DQ7: U9.AB25 U12.B4
DRAM_DQ8: U9.AB22 U12.C9
DRAM_DQ9: U9.AA22 U12.C11
DRAM_DQ10: U9.AA23 U12.B11
DRAM_DQ11: U9.AA20 U12.B9
DRAM_DQ12: U9.AA18 U12.F11
DRAM_DQ13: U9.AB19 U12.F9
DRAM_DQ14: U9.AA19 U12.E9
DRAM_DQ15: U9.AA17 U12.E11
DRAM_DQ16: U9.AE3 U12.AA2
DRAM_DQ17: U9.AD2 U12.V2
DRAM_DQ18: U9.AE4 U12.Y2
DRAM_DQ19: U9.AD4 U12.U2
DRAM_DQ20: U9.AA2 U12.U4
DRAM_DQ21: U9.Y1 U12.V4
DRAM_DQ22: U9.AA1 U12.Y4
DRAM_DQ23: U9.AB1 U12.AA4
DRAM_DQ24: U9.AB4 U12.Y9
DRAM_DQ25: U9.AA4 U12.Y11
DRAM_DQ26: U9.AA3 U12.AA11
DRAM_DQ27: U9.AA6 U12.AA9
DRAM_DQ28: U9.AA8 U12.U11
DRAM_DQ29: U9.AB7 U12.U9
DRAM_DQ30: U9.AA7 U12.V9
DRAM_DQ31: U9.AA9 U12.V11
DRAM_DQS0_N: U9.AC25 U12.E3
DRAM_DQS0_P: U9.AC24 U12.D3
DRAM_DQS1_N: U9.AC21 U12.E10
DRAM_DQS1_P: U9.AB21 U12.D10
DRAM_DQS2_N: U9.AC1 U12.V3
DRAM_DQS2_P: U9.AC2 U12.W3
DRAM_DQS3_N: U9.AC5 U12.V10
DRAM_DQS3_P: U9.AB5 U12.W10
DRAM_nCS0_A: U9.AE18 U12.H4
DRAM_nCS0_B: U9.AC9 U12.R4
DRAM_nCS1_A: U9.AC18 U12.H3
DRAM_nCS1_B: U9.AD8 U12.R3
DRAM_nRST: R34.2 U9.AB13 U12.T11
DRAM_VREF: C62.1 R72.1 U1.31
DRAMREF: C88.1 C254.2 C255.1 R70.1 R71.2 R72.2 U9.AA14
DSI_CLK_N: J1.A32 U9.C16
DSI_CLK_P: J1.A33 U9.D16
DSI_D0_N: J1.A22 U9.A17
DSI_D0_P: J1.A23 U9.B17
DSI_D1_N: J1.A25 U9.A16
DSI_D1_P: J1.A26 U9.B16
DSI_D2_N: J1.A18 U9.A18
DSI_D2_P: J1.A19 U9.B18
DSI_D3_N: J1.A28 U9.A15
DSI_D3_P: J1.A29 U9.B15
ENET_INT: R108.2 U9.L6 U17.51
ENET_MDC: U9.N20 U17.48
ENET_MDIO: U9.N19 U17.50
ENET_NRST: C318.1 R107.2 U17.53
ENET_RD0: R103.1 U9.U19
ENET_RD1: R104.1 U9.U21
ENET_RD2: R105.1 U9.U20
ENET_RD3: R106.1 U9.V19
ENET_RX_CTL: R102.1 U9.T21
ENET_RXC: R101.1 U9.T20
ENET_TD0: U9.R20 U17.38
ENET_TD1: U9.R21 U17.40
ENET_TD2: U9.R19 U17.41
ENET_TD3: U9.P20 U17.42
ENET_TX_CTL: U9.P19 U17.33
ENET_TXC: U9.T19 U17.37
ESP32_RX: R100.1 U19.40
ESP32_TX: R99.1 U19.41
GBE0_MDI0_N: J1.A12 U17.12
GBE0_MDI0_P: J1.A13 U17.13
GBE0_MDI1_N: J1.A8 U17.9
GBE0_MDI1_P: J1.A9 U17.10
GBE0_MDI2_N: J1.A5 U17.6
GBE0_MDI2_P: J1.A6 U17.7
GBE0_MDI3_N: J1.A2 U17.3
GBE0_MDI3_P: J1.A3 U17.4
GPIO0: J1.B78 Q6.1 R78.2
GPIO3: J1.B79 U9.P4
GPIO4: J1.B81 U9.P5
GPIO5: J1.B77 U9.P7
GPIO6: J1.B75 U9.N5
GPIO8: J1.B74 U9.N7
GPIO9: J1.B72 U9.M6
GPIO10: J1.B71 U9.M7
HDMI_AUX_N: C107.2 J1.A69
HDMI_AUX_P: C101.2 J1.A68
HDMI_CEC: J1.A75 U9.W3
HDMI_HPD: J1.A74 U9.W2
HDMI_REFCLK_N: C112.2 J1.A58
HDMI_REFCLK_P: C106.2 J1.A59
HDMI_SCL: J1.A72 U9.R3
HDMI_SDA: J1.A71 U9.P3
HDMI_TX0_N: C111.2 J1.A63
HDMI_TX0_P: C105.2 J1.A62
HDMI_TX1_N: C110.2 J1.A65
HDMI_TX1_P: C104.2 J1.A66
HDMI_TX2_N: C109.2 J1.A56
HDMI_TX2_P: C103.2 J1.A55
HDMI_TX3_N: C108.2 J1.A52
HDMI_TX3_P: C102.2 J1.A53
HOST_PCIE1_CLK_N: J1.B48 U15.14
HOST_PCIE1_CLK_P: J1.B49 U15.13
HOST_PCIE2_CLK_N: J1.B45 U16.14
HOST_PCIE2_CLK_P: J1.B46 U16.13
I2C1_SCL: J1.B62 U9.E7
I2C1_SDA: J1.B63 U9.E8
I2C2_SCL: J1.B66 R86.2 U9.G7 U15.8 U16.8
I2C2_SDA: J1.B65 R87.2 U9.F7 U15.9 U16.9
I2C3_SCL: J1.B68 U9.G8
I2C3_SDA: J1.B69 U9.E9
IX8_PCIE1_CLK_N: U9.K24 U15.18
IX8_PCIE1_CLK_P: U9.K25 U15.17
IX8_PCIE2_CLK_N: U9.F24 U16.18
IX8_PCIE2_CLK_P: U9.F25 U16.17
JTAG_nTRS: R94.1 U9.U6
JTAG_TCK: J2.4 R88.2 U9.T5
JTAG_TDI: J2.8 U9.W5
JTAG_TDO: J2.6 U9.U5
JTAG_TMS: J2.2 U9.V5
NAND_DATA0: U9.G20 U14.2
NAND_DATA1: U9.J20 U14.3
NAND_DATA2: U9.H22 U14.7
NAND_DATA3: U9.J21 U14.5
NVCC_DRAM_1V1: C18.1 C23.1 C32.1 C35.1 C40.1 C158.1 C159.2 C169.1 C170.2 C177.1 C178.2 C188.1 C189.2 C199.1 C200.2 C208.1 C209.2 C218.1 C219.2 C230.1 C231.2 C240.1 C241.2 C249.1 C250.2 C253.1 C254.1 C256.1 C257.2 C258.1 C259.2 C260.1 C261.2 C262.1 C263.2 C264.1 C265.2 C266.1 C267.2 L3.2 R66.2 R67.2 R68.2 R69.2 R70.2 U1.25 U1.30 U9.AA10 U9.AA15 U9.AB3 U9.AB8 U9.AB17 U9.AB23 U9.AC3 U9.AC6 U9.AC8 U9.AC14 U9.AC17 U9.AC20 U9.AC23 U9.AD5 U9.AD18 U9.AD21 U9.Y12 U9.Y14 U12.A4 U12.A9 U12.AA3 U12.AA5 U12.AA8 U12.AA10 U12.AB4 U12.AB9 U12.B3 U12.B5 U12.B8 U12.B10 U12.D1 U12.D5 U12.D8 U12.D12 U12.F3 U12.F5 U12.F8 U12.F10 U12.H1 U12.H5 U12.H8 U12.H12 U12.K1 U12.K3 U12.K10 U12.K12 U12.N1 U12.N3 U12.N10 U12.N12 U12.R1 U12.R5 U12.R8 U12.R12 U12.U3 U12.U5 U12.U8 U12.U10 U12.W1 U12.W5 U12.W8 U12.W12
NVCC_ENET_2V5: C68.2 C72.2 C187.1 C323.1 C327.1 C333.1 C334.1 C337.1 C338.1 FB7.1 L7.2 U6.1 U9.T18 U17.22 U17.28 U17.39 U17.44 U17.58
NVCC_SD1_1V8: C182.1 U9.L23 U9.M23
NVCC_SD2: C223.1 U9.N23
NWDOG: C82.1 U9.R4
ONOFF: R59.2 SW1.2 U9.W21
PCIE1_nCLKREQ: D8.1 R83.2 U9.T7
PCIE1_NCLKREQ: D7.1 R83.1
PCIE1_RXN: J1.B56 U9.H24
PCIE1_RXP: J1.B55 U9.H25
PCIE1_TXN: C89.2 J1.B53
PCIE1_TXP: C90.2 J1.B52
PCIE2_NCLKREQ: D11.1 R90.1
PCIE2_nCLKREQ: D12.1 R90.2 U9.T6
PCIE2_RXN: J1.B42 U9.D25
PCIE2_RXP: J1.B43 U9.D24
PCIE2_TXN: C96.2 J1.B39
PCIE2_TXP: C95.2 J1.B40
PG_VIN: Q5.1 R9.2 R20.2 U2.26
PMIC_nINT: U1.1 U9.N6
PMIC_ON_REQ: R13.1 R28.1 U9.V20
PMIC_SCL: R15.2 U1.54 U9.F8
PMIC_SDA: R14.2 U1.53 U9.F9
PMIC_STBY_REQ: Q3.1 U1.4 U9.V21
POR_B: C173.1 D9.2 J1.B94 R58.2 U1.3 U9.W20
QSPIA_nSS0 : U9.H19 U14.1
QSPIA_SCLK: U9.G19 U14.6
SD1_CLK: U9.L25 U13.M6
SD1_CMD: R74.1 U9.L24 U13.M5
SD1_D0: R73.1 U9.M25 U13.A3
SD1_D1: U9.M24 U13.A4
SD1_D2: U9.N25 U13.A5
SD1_D3: U9.P25 U13.B2
SD1_D4: U9.N24 U13.B3
SD1_D5: U9.P24 U13.B4
SD1_D6: U9.R25 U13.B5
SD1_D7: U9.T25 U13.B6
SD1_nRST: R75.1 U9.R24 U13.K5
SD1_STROBE: U9.T24 U13.H5
SD2_CLK: J1.A91 U9.L22
SD2_CMD: J1.A89 U9.M22
SD2_D0: J1.A92 U9.N22
SD2_D1: J1.A96 U9.N21
SD2_D2: J1.A86 U9.P22
SD2_D3: J1.A88 U9.P21
SD2_nCD: J1.A94 U9.L21
SD2_nRST: J1.A85 U9.R22
SD2_WP: J1.A93 U9.M21
SPI1_MISO: J1.B35 U9.B4
SPI1_MOSI: J1.B34 U9.A4
SPI1_SCLK: J1.B32 U9.D5
SPI1_SSO: J1.B33 U9.D4
SPI2_MISO: J1.B30 U9.B5
SPI2_MOSI: J1.B29 U9.E5
SPI2_SCLK: J1.B27 U9.C5
SPI2_SSO: J1.B28 U9.A5
SYS_NRST: J1.B92 R32.2 SW2.2
UART1_RXD: J1.B18 R99.2 U9.C7
UART1_TXD: J1.B17 R100.2 U9.A7
UART2_RXD: J1.B23 U9.B6
UART2_TXD: J1.B24 U9.D6
UART3_RXD: J1.B22 U9.A6
UART3_TXD: J1.B20 U9.B7
UART4_RXD: J1.B58 U9.C6
UART4_TXD: J1.B59 U9.D7